# Allegro board buddy_lay_rev1.brd (continued)
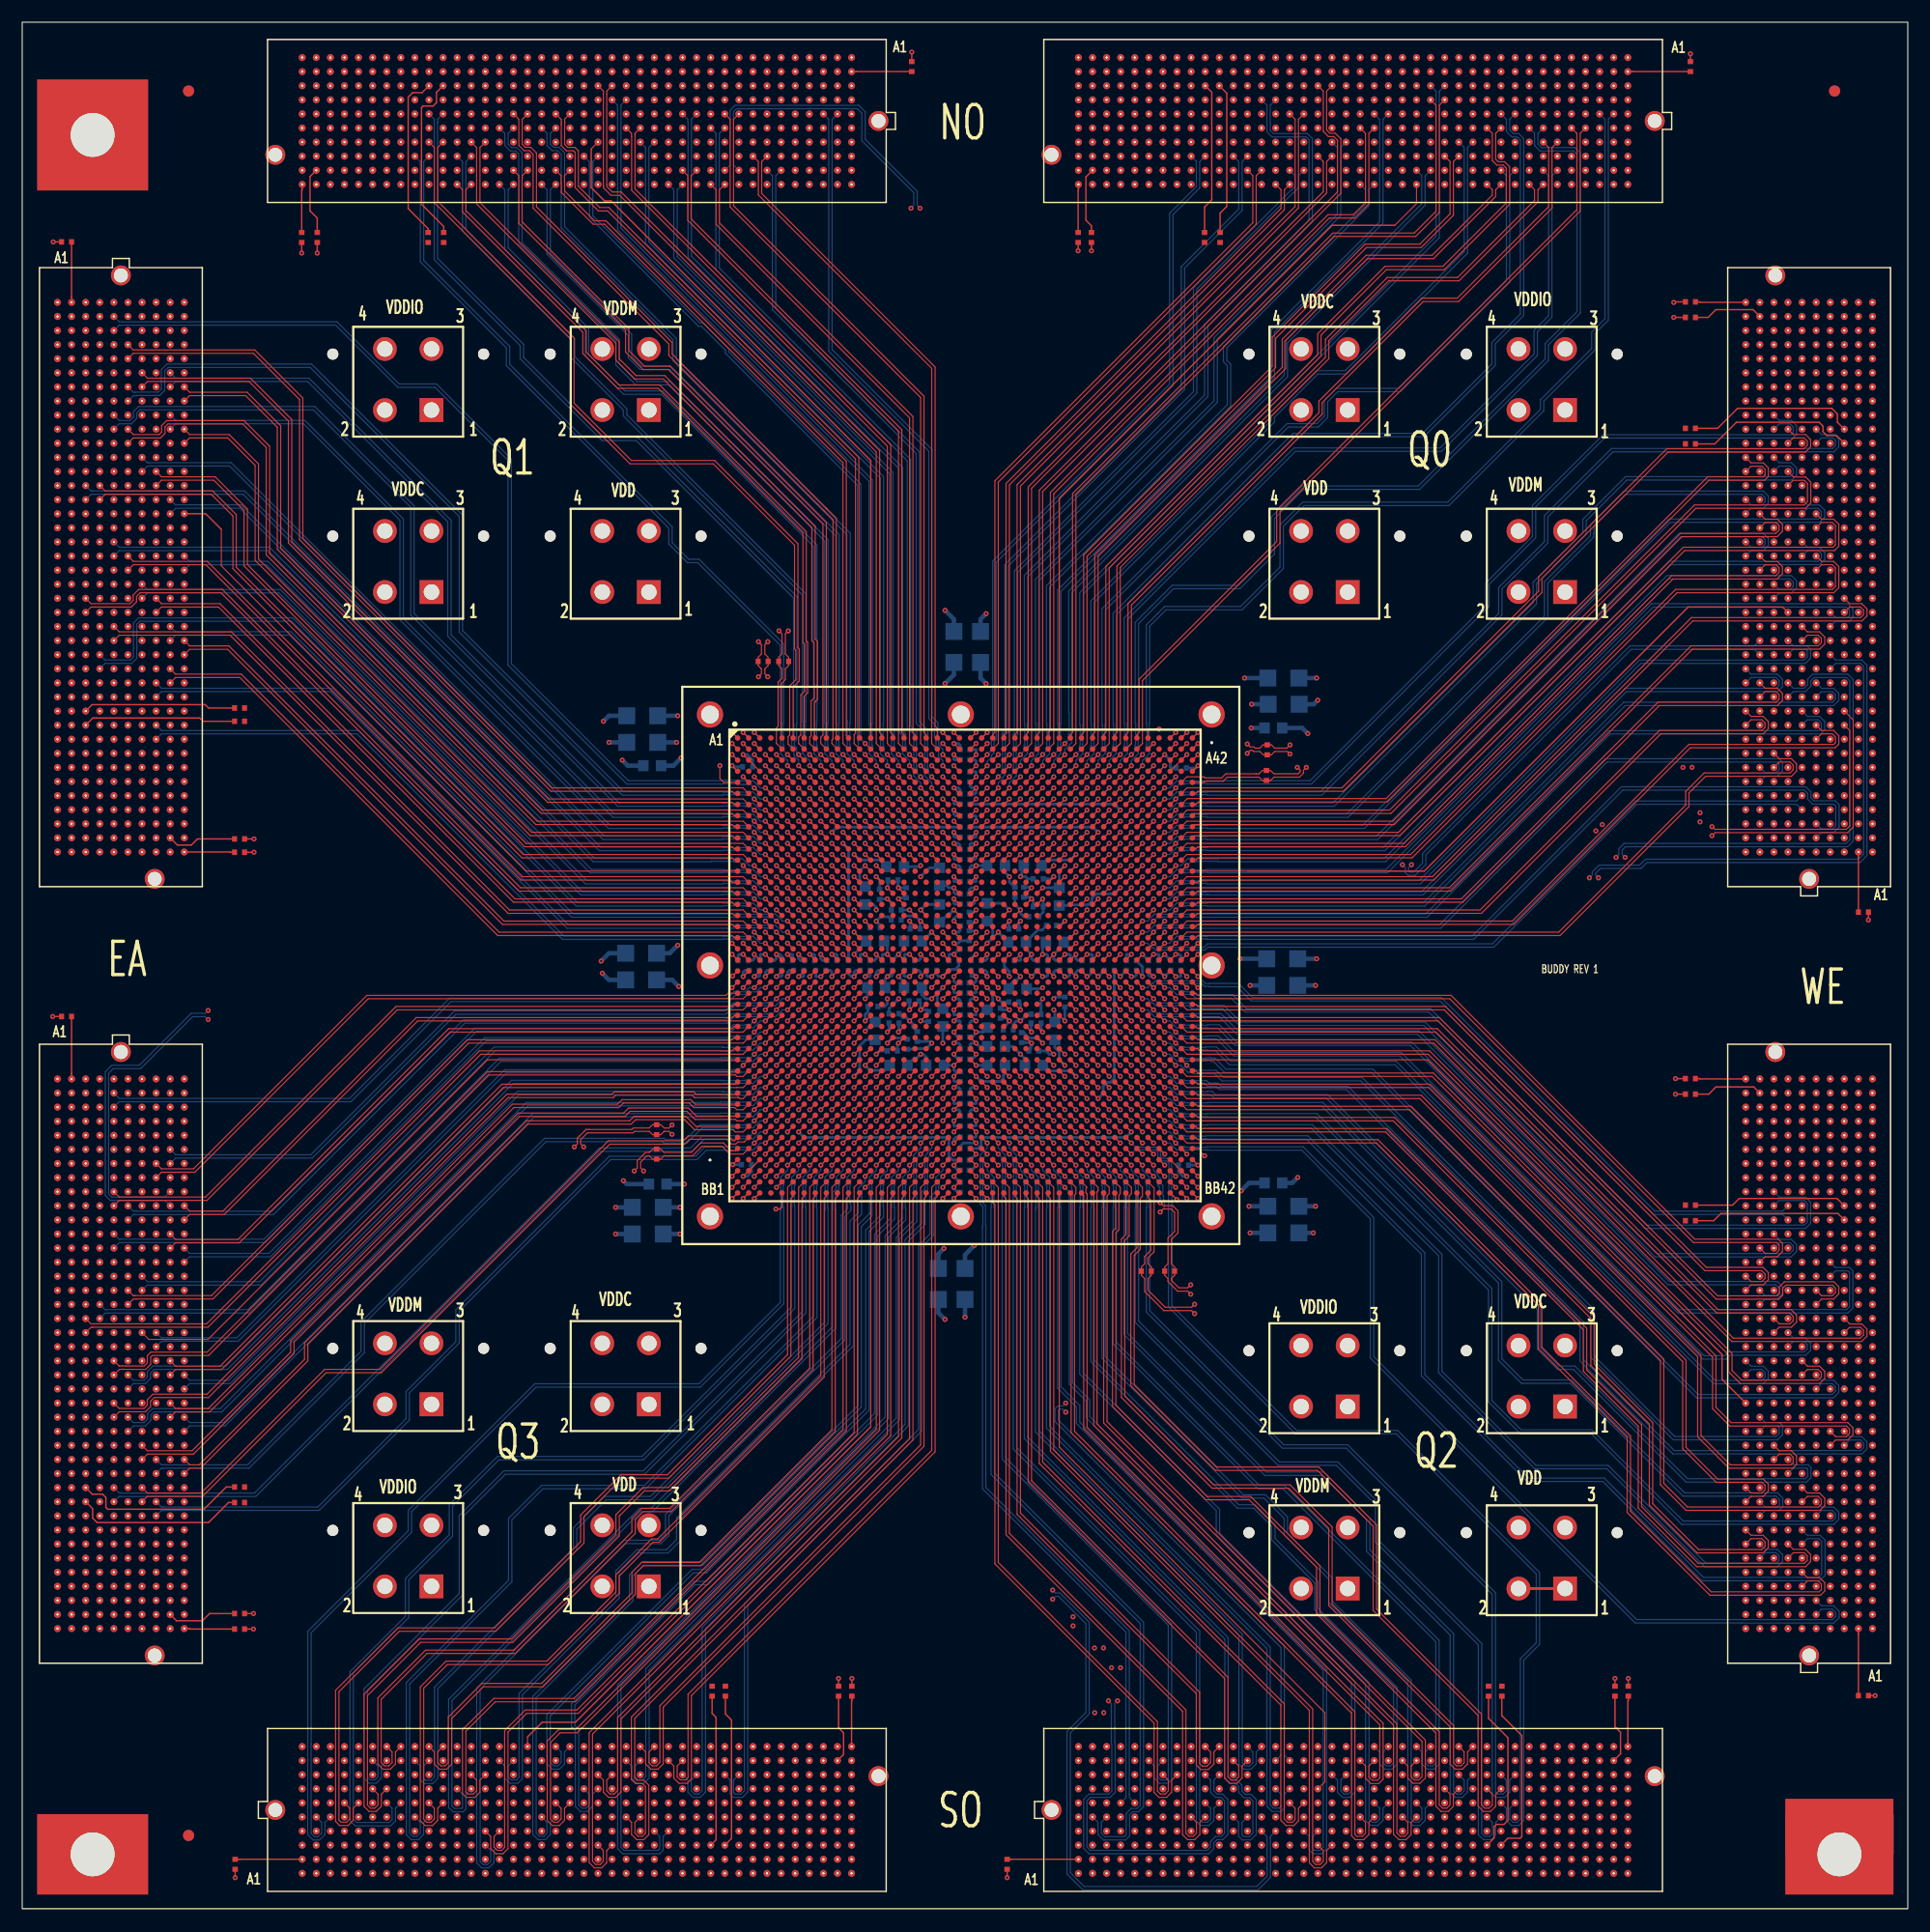
[diagram p0: board, top side]
## Routing (per net, layer and track width the routed paths; a pad name or vN(x,y) marks a point on that pad's centre or on a via; arc(x,y) is an arc through that point) (continued)
; J7.F12 9.54,61.28 ; J7.F12 9.54,60.33 ; J7.F12 10.01,60.8 ; 96.5,157.45 J2.H39 ; J2.H39 96.02,157.93 ; J2.H39 96.97,157.93 ; J2.H39 96.5,158.4 ; J4.A17 167.29,45.56 ; J4.A17 166.81,46.04 ; J4.A17 166.81,45.09 ; J4.A17 166.34,45.56 ; J3.C28 164.28,129.99 ; J3.C28 163.8,129.52 ; J3.C28 164.75,129.52 ; J3.C28 164.28,129.04 ; 166.81,59.06 J4.A28 ; J4.A28 166.34,59.53 ; J4.A28 166.81,60.01 ; J4.A28 167.29,59.53 ; 11.6,60.8 J7.H12 ; J7.H12 12.07,61.28 ; J7.H12 12.07,60.33 ; J7.H12 12.55,60.8 ; 166.81,69.22 J4.A36 ; J4.A36 166.81,70.17 ; J4.A36 166.34,69.69 ; J4.A36 167.29,69.69 ; 45.56,159.99 J1.F24 ; J1.F24 45.09,160.47 ; J1.F24 46.04,160.47 ; J1.F24 45.56,160.94 ; 161.74,126.98 162.21,126.98 ; 161.74,126.98 161.74,126.5 ; 161.74,126.98 161.74,127.45 ; 161.74,126.98 161.26,126.98 ; 129.52,6.52 129.52,7 ; 129.52,7 129.04,7 ; 129.52,7 129.99,7 ; 129.52,7 129.52,7.47 ; J4.G35 159.19,68.9 ; J4.G35 159.67,68.42 ; J4.G35 158.72,68.42 ; J4.G35 159.19,67.95 ; 7,98.56 7,99.04 ; 7,99.04 7.47,99.04 ; 7,99.04 6.52,99.04 ; 7,99.04 7,99.51 ; 159.19,137.93 J3.G35 ; J3.G35 159.67,138.41 ; J3.G35 159.19,138.88 ; J3.G35 158.72,138.41 ; J3.H21 157.93,121.1 ; J3.H21 158.4,120.63 ; J3.H21 157.93,120.15 ; J3.H21 157.45,120.63 ; J4.J5 157.13,30.32 ; J4.J5 156.18,30.32 ; J4.J5 156.66,30.8 ; J4.J5 156.66,29.85 ; 14.62,107.45 J8.K30 ; J8.K30 14.62,108.4 ; J8.K30 14.14,107.93 ; J8.K30 15.09,107.93 ; J7.E26 8.27,43.5 ; J7.E26 8.74,43.02 ; J7.E26 7.79,43.02 ; J7.E26 8.27,42.55 ; J5.B10 107.13,4.46 ; J5.B10 106.18,4.46 ; J5.B10 106.66,3.98 ; J5.B10 106.66,4.93 ; J5.E35 138.41,8.74 ; J5.E35 138.88,8.27 ; J5.E35 138.41,7.79 ; J5.E35 137.93,8.27 ; J1.F36 30.8,160.47 ; J1.F36 29.85,160.47 ; J1.F36 30.32,159.99 ; J1.F36 30.32,160.94 ; 11.6,41.75 J7.H27 ; J7.H27 12.07,42.23 ; J7.H27 12.07,41.28 ; J7.H27 12.55,41.75 ; J8.E35 8.27,102.05 ; J8.E35 8.74,101.58 ; J8.E35 7.79,101.58 ; J8.E35 8.27,101.1 ; J4.B14 165.54,42.23 ; J4.B14 165.54,41.28 ; J4.B14 165.07,41.75 ; J4.B14 166.02,41.75 ; J7.F21 10.01,49.37 ; J7.F21 9.54,49.85 ; J7.F21 9.06,49.37 ; J7.F21 9.54,48.9 ; 154.91,69.69 J4.K36 ; J4.K36 155.86,69.69 ; J4.K36 155.38,70.17 ; J4.K36 155.38,69.22 ; J6.B22 51.91,4.93 ; J6.B22 51.91,3.98 ; J6.B22 51.44,4.46 ; J6.B22 52.39,4.46 ; J8.A32 3.66,105.39 ; J8.A32 3.19,105.86 ; J8.A32 2.71,105.39 ; J8.A32 3.19,104.91 ; 32.39,7 J6.D7 ; J6.D7 32.86,6.52 ; J6.D7 32.86,7.47 ; J6.D7 33.34,7 ; J7.H33 12.55,34.13 ; J7.H33 11.6,34.13 ; J7.H33 12.07,34.61 ; J7.H33 12.07,33.66 ; 95.23,163.8 J2.C40 ; J2.C40 95.23,164.75 ; J2.C40 94.75,164.28 ; J2.C40 95.7,164.28 ; 162.53,125.71 J3.D25 ; J3.D25 163,125.23 ; J3.D25 163,126.18 ; J3.D25 163.48,125.71 ; 129.04,163 J2.D13 ; J2.D13 129.99,163 ; J2.D13 129.52,163.48 ; J2.D13 129.52,162.53 ; 3.19,129.52 3.66,129.52 ; 3.19,129.52 3.19,129.04 ; 3.19,129.52 2.71,129.52 ; 3.19,129.52 3.19,129.99 ; 164.28,71.76 J4.C38 ; J4.C38 164.75,72.23 ; J4.C38 164.28,72.71 ; J4.C38 163.8,72.23 ; J10.2 53.54,135.05 ; J10.2 51.06,135.05 ; J10.2 52.3,136.29 ; J10.2 52.3,133.81 ; J1.A20 51.12,166.81 ; J1.A20 50.17,166.81 ; J1.A20 50.64,167.29 ; J1.A20 50.64,166.34 ; 156.66,41.28 J4.J14 ; J4.J14 156.66,42.23 ; J4.J14 156.18,41.75 ; J4.J14 157.13,41.75 ; 5.72,130.79 5.72,131.26 ; 5.72,130.79 5.25,130.79 ; 5.72,130.79 5.72,130.31 ; 5.72,130.79 6.2,130.79 ; J3.H30 157.93,132.53 ; J3.H30 157.45,132.06 ; J3.H30 157.93,131.58 ; J3.H30 158.4,132.06 ; J4.D7 163,33.34 ; J4.D7 162.53,32.86 ; J4.D7 163.48,32.86 ; J4.D7 163,32.39 ; J6.H6 31.59,12.55 ; J6.H6 31.59,11.6 ; J6.H6 32.07,12.07 ; J6.H6 31.12,12.07 ; 69.69,161.26 69.69,161.74 ; 69.69,161.74 69.22,161.74 ; 69.69,161.74 69.69,162.21 ; 69.69,161.74 70.17,161.74 ; J7.D10 7,63.82 ; J7.D10 7.47,63.34 ; J7.D10 7,62.87 ; J7.D10 6.52,63.34 ; J1.C25 44.29,164.75 ; J1.C25 44.77,164.28 ; J1.C25 43.82,164.28 ; J1.C25 44.29,163.8 ; J5.F6 102.05,9.54 ; J5.F6 101.58,10.01 ; J5.F6 101.1,9.54 ; J5.F6 101.58,9.06 ; 53.18,3.98 J6.B23 ; J6.B23 52.71,4.46 ; J6.B23 53.66,4.46 ; J6.B23 53.18,4.93 ; J5.B15 113.48,4.46 ; J5.B15 112.53,4.46 ; J5.B15 113.01,4.93 ; J5.B15 113.01,3.98 ; 9.54,118.88 J8.F21 ; J8.F21 10.01,119.36 ; J8.F21 9.06,119.36 ; J8.F21 9.54,119.83 ; 3.19,74.3 3.19,74.77 ; 3.19,74.77 2.71,74.77 ; 3.19,74.77 3.66,74.77 ; 3.19,74.77 3.19,75.25 ; 111.74,10.8 111.74,11.28 ; 111.74,10.8 112.21,10.8 ; 111.74,10.8 111.26,10.8 ; 111.74,10.8 111.74,10.33 ; J2.H3 142.69,157.93 ; J2.H3 141.74,157.93 ; J2.H3 142.22,157.45 ; J2.H3 142.22,158.4 ; J1.C21 49.85,164.28 ; J1.C21 49.37,164.75 ; J1.C21 48.9,164.28 ; J1.C21 49.37,163.8 ; J4.C32 164.28,65.09 ; J4.C32 164.28,64.14 ; J4.C32 164.75,64.61 ; J4.C32 163.8,64.61 ; 159.99,58.26 J4.F27 ; J4.F27 160.94,58.26 ; J4.F27 160.47,57.79 ; J4.F27 160.47,58.74 ; 12.87,139.68 13.35,139.68 ; 13.35,139.68 13.35,139.2 ; 13.35,139.68 13.35,140.15 ; 13.35,139.68 13.82,139.68 ; 60.8,7.79 J6.E29 ; J6.E29 61.28,8.27 ; J6.E29 60.33,8.27 ; J6.E29 60.8,8.74 ; 56.5,117.41 J12.1 ; J12.1 57.74,118.65 ; J12.1 55.26,118.65 ; J12.1 56.5,119.89 ; 13.35,112.53 J8.J26 ; J8.J26 13.35,113.48 ; J8.J26 13.82,113.01 ; J8.J26 12.87,113.01 ; J6.J35 68.42,13.82 ; J6.J35 67.95,13.35 ; J6.J35 68.9,13.35 ; J6.J35 68.42,12.87 ; 4.46,32.86 4.93,32.86 ; 4.46,32.86 4.46,33.34 ; 4.46,32.86 4.46,32.39 ; 4.46,32.86 3.98,32.86 ; 37.47,157.93 J1.H30 ; J1.H30 38.42,157.93 ; J1.H30 37.94,157.45 ; J1.H30 37.94,158.4 ; 164.28,69.22 J4.C36 ; J4.C36 163.8,69.69 ; J4.C36 164.28,70.17 ; J4.C36 164.75,69.69 ; J1.B35 31.59,166.02 ; J1.B35 32.07,165.54 ; J1.B35 31.12,165.54 ; J1.B35 31.59,165.07 ; 120.15,156.66 J2.J20 ; J2.J20 121.1,156.66 ; J2.J20 120.63,157.13 ; J2.J20 120.63,156.18 ; 132.06,14.62 132.53,14.62 ; 132.06,14.62 131.58,14.62 ; 132.06,14.62 132.06,14.14 ; 132.06,14.62 132.06,15.09 ; 119.36,159.99 J2.F21 ; J2.F21 119.36,160.94 ; J2.F21 118.88,160.47 ; J2.F21 119.83,160.47 ; J6.K15 43.5,14.62 ; J6.K15 43.02,15.09 ; J6.K15 42.55,14.62 ; J6.K15 43.02,14.14 ; 102.85,165.07 J2.B34 ; J2.B34 103.32,165.54 ; J2.B34 102.37,165.54 ; J2.B34 102.85,166.02 ; J5.A29 131.26,3.19 ; J5.A29 130.79,2.71 ; J5.A29 130.31,3.19 ; J5.A29 130.79,3.66 ; 5.72,45.56 5.72,46.04 ; 5.72,45.56 5.72,45.09 ; 5.72,45.56 6.2,45.56 ; 5.72,45.56 5.25,45.56 ; 3.19,114.28 3.66,114.28 ; 3.19,114.28 3.19,114.75 ; 3.19,114.28 3.19,113.8 ; 3.19,114.28 2.71,114.28 ; 56.99,157.45 J1.H15 ; J1.H15 57.47,157.93 ; J1.H15 56.99,158.4 ; J1.H15 56.52,157.93 ; J4.B39 165.54,73.98 ; J4.B39 165.07,73.5 ; J4.B39 165.54,73.03 ; J4.B39 166.02,73.5 ; 32.7,133.81 J9.2 ; J9.2 32.7,136.29 ; J9.2 33.94,135.05 ; J9.2 31.46,135.05 ; 104.12,163.8 J2.C33 ; J2.C33 104.59,164.28 ; J2.C33 103.64,164.28 ; J2.C33 104.12,164.75 ; 65.41,5.72 J6.C33 ; J6.C33 65.88,5.25 ; J6.C33 65.88,6.2 ; J6.C33 66.36,5.72 ; J5.B6 101.58,4.93 ; J5.B6 101.1,4.46 ; J5.B6 101.58,3.98 ; J5.B6 102.05,4.46 ; 7,129.04 J8.D13 ; J8.D13 7.47,129.52 ; J8.D13 7,129.99 ; J8.D13 6.52,129.52 ; 38.74,5.72 39.21,5.72 ; 39.21,5.72 39.21,5.25 ; 39.21,5.72 39.21,6.2 ; 39.21,5.72 39.69,5.72 ; J7.D3 7,72.71 ; J7.D3 7,71.76 ; J7.D3 7.47,72.23 ; J7.D3 6.52,72.23 ; J6.G35 68.42,11.28 ; J6.G35 68.42,10.33 ; J6.G35 68.9,10.8 ; J6.G35 67.95,10.8 ; J5.G40 144.76,11.28 ; J5.G40 144.76,10.33 ; J5.G40 145.23,10.8 ; J5.G40 144.28,10.8 ; 45.09,3.19 45.56,3.19 ; 45.56,3.19 45.56,2.71 ; 45.56,3.19 46.04,3.19 ; 45.56,3.19 45.56,3.66 ; J8.B19 4.93,121.9 ; J8.B19 3.98,121.9 ; J8.B19 4.46,121.42 ; J8.B19 4.46,122.37 ; J1.A17 54.93,166.81 ; J1.A17 53.98,166.81 ; J1.A17 54.45,166.34 ; J1.A17 54.45,167.29 ; J4.J26 156.66,57.47 ; J4.J26 156.18,56.99 ; J4.J26 157.13,56.99 ; J4.J26 156.66,56.52 ; 5.72,69.69 6.2,69.69 ; 5.72,69.69 5.72,69.22 ; 5.72,69.69 5.72,70.17 ; 5.72,69.69 5.25,69.69 ; 166.34,100.31 J3.A5 ; J3.A5 166.81,100.78 ; J3.A5 167.29,100.31 ; J3.A5 166.81,99.83 ; 138.41,3.98 138.41,4.46 ; 138.41,4.46 138.88,4.46 ; 138.41,4.46 138.41,4.93 ; 138.41,4.46 137.93,4.46 ; 7.79,113.01 J8.E26 ; J8.E26 8.27,113.48 ; J8.E26 8.74,113.01 ; J8.E26 8.27,112.53 ; J3.G29 159.19,131.26 ; J3.G29 159.67,130.79 ; J3.G29 159.19,130.31 ; J3.G29 158.72,130.79 ; 2.71,125.71 3.19,125.71 ; 3.19,125.71 3.66,125.71 ; 3.19,125.71 3.19,126.18 ; 3.19,125.71 3.19,125.23 ; 140.95,161.26 140.95,161.74 ; 140.95,161.74 140.95,162.21 ; 140.95,161.74 140.47,161.74 ; 140.95,161.74 141.42,161.74 ; 124.44,161.74 124.91,161.74 ; 124.44,161.74 124.44,161.26 ; 124.44,161.74 124.44,162.21 ; 124.44,161.74 123.96,161.74 ; 63.34,4.46 63.82,4.46 ; 63.34,4.46 63.34,4.93 ; 63.34,4.46 62.87,4.46 ; 63.34,4.46 63.34,3.98 ; 5.72,65.88 5.72,66.36 ; 5.72,65.88 5.72,65.41 ; 5.72,65.88 5.25,65.88 ; 5.72,65.88 6.2,65.88 ; J7.B22 4.46,48.58 ; J7.B22 3.98,48.1 ; J7.B22 4.46,47.63 ; J7.B22 4.93,48.1 ; 164.28,144.28 J3.C40 ; J3.C40 164.75,144.76 ; J3.C40 164.28,145.23 ; J3.C40 163.8,144.76 ; 160.47,101.1 J3.F6 ; J3.F6 160.47,102.05 ; J3.F6 159.99,101.58 ; J3.F6 160.94,101.58 ; 161.74,25.24 161.74,25.72 ; 161.74,25.24 162.21,25.24 ; 161.74,25.24 161.74,24.77 ; 161.74,25.24 161.26,25.24 ; J5.F3 97.77,10.01 ; J5.F3 97.77,9.06 ; J5.F3 98.24,9.54 ; J5.F3 97.29,9.54 ; 10.8,70.96 11.28,70.96 ; 10.8,70.96 10.8,71.44 ; 10.8,70.96 10.8,70.49 ; 10.8,70.96 10.33,70.96 ; 163.8,114.28 J3.C16 ; J3.C16 164.75,114.28 ; J3.C16 164.28,113.8 ; J3.C16 164.28,114.75 ; J6.H15 43.02,12.55 ; J6.H15 43.5,12.07 ; J6.H15 42.55,12.07 ; J6.H15 43.02,11.6 ; J6.K6 32.07,14.62 ; J6.K6 31.12,14.62 ; J6.K6 31.59,14.14 ; J6.K6 31.59,15.09 ; 97.77,161.74 97.77,162.21 ; 97.77,161.74 98.24,161.74 ; 97.77,161.74 97.77,161.26 ; 97.77,161.74 97.29,161.74 ; 97.77,6.52 J5.D3 ; J5.D3 98.24,7 ; J5.D3 97.77,7.47 ; J5.D3 97.29,7 ; 11.6,30.32 J7.H36 ; J7.H36 12.07,30.8 ; J7.H36 12.55,30.32 ; J7.H36 12.07,29.85 ; 161.74,144.76 162.21,144.76 ; 161.74,144.76 161.26,144.76 ; 161.74,144.76 161.74,145.23 ; 161.74,144.76 161.74,144.28 ; 143.01,160.47 J2.F2 ; J2.F2 143.49,160.94 ; J2.F2 143.49,159.99 ; J2.F2 143.96,160.47 ; J3.D28 163.48,129.52 ; J3.D28 162.53,129.52 ; J3.D28 163,129.99 ; J3.D28 163,129.04 ; J5.D22 122.37,7 ; J5.D22 121.9,7.47 ; J5.D22 121.42,7 ; J5.D22 121.9,6.52 ; 137.14,3.98 137.14,4.46 ; 137.14,4.46 136.66,4.46 ; 137.14,4.46 137.14,4.93 ; 137.14,4.46 137.61,4.46 ; 14.14,104.12 14.62,104.12 ; 14.62,104.12 14.62,103.64 ; 14.62,104.12 14.62,104.59 ; 14.62,104.12 15.09,104.12 ; 128.25,165.07 J2.B14 ; J2.B14 128.72,165.54 ; J2.B14 127.77,165.54 ; J2.B14 128.25,166.02 ; 135.39,156.66 J2.J8 ; J2.J8 136.34,156.66 ; J2.J8 135.87,156.18 ; J2.J8 135.87,157.13 ; J1.J29 39.69,156.66 ; J1.J29 39.21,157.13 ; J1.J29 39.21,156.18 ; J1.J29 38.74,156.66 ; 157.93,135.39 J3.H33 ; J3.H33 157.45,135.87 ; J3.H33 157.93,136.34 ; J3.H33 158.4,135.87 ; 155.38,53.98 J4.K24 ; J4.K24 155.38,54.93 ; J4.K24 154.91,54.45 ; J4.K24 155.86,54.45 ; 35.4,5.72 35.88,5.72 ; 35.4,5.72 34.93,5.72 ; 35.4,5.72 35.4,6.2 ; 35.4,5.72 35.4,5.25 ; 157.45,124.44 J3.H24 ; J3.H24 157.93,124.91 ; J3.H24 158.4,124.44 ; J3.H24 157.93,123.96 ; 99.04,5.25 99.04,5.72 ; 99.04,5.72 99.04,6.2 ; 99.04,5.72 98.56,5.72 ; 99.04,5.72 99.51,5.72 ; 111.26,160.47 J2.F27 ; J2.F27 112.21,160.47 ; J2.F27 111.74,159.99 ; J2.F27 111.74,160.94 ; 37.94,10.8 38.42,10.8 ; 37.94,10.8 37.94,11.28 ; 37.94,10.8 37.47,10.8 ; 37.94,10.8 37.94,10.33 ; J3.C32 164.75,134.6 ; J3.C32 163.8,134.6 ; J3.C32 164.28,134.12 ; J3.C32 164.28,135.07 ; 165.07,106.66 J3.B10 ; J3.B10 166.02,106.66 ; J3.B10 165.54,106.18 ; J3.B10 165.54,107.13 ; 128.25,9.54 128.25,10.01 ; 128.25,9.54 128.25,9.06 ; 128.25,9.54 128.72,9.54 ; 128.25,9.54 127.77,9.54 ; 69.69,163.8 J1.C5 ; J1.C5 69.22,164.28 ; J1.C5 70.17,164.28 ; J1.C5 69.69,164.75 ; 156.18,107.93 J3.J11 ; J3.J11 156.66,107.45 ; J3.J11 156.66,108.4 ; J3.J11 157.13,107.93 ; J3.C5 164.28,100.78 ; J3.C5 163.8,100.31 ; J3.C5 164.28,99.83 ; J3.C5 164.75,100.31 ; J2.G17 124.44,159.67 ; J2.G17 123.96,159.19 ; J2.G17 124.44,158.72 ; J2.G17 124.91,159.19 ; 100.31,10.8 100.78,10.8 ; 100.31,10.8 100.31,10.33 ; 100.31,10.8 99.83,10.8 ; 100.31,10.8 100.31,11.28 ; J1.B39 26.51,166.02 ; J1.B39 26.99,165.54 ; J1.B39 26.51,165.07 ; J1.B39 26.04,165.54 ; J2.K15 127.45,155.38 ; J2.K15 126.98,155.86 ; J2.K15 126.98,154.91 ; J2.K15 126.5,155.38 ; J4.C1 164.28,25.72 ; J4.C1 164.28,24.77 ; J4.C1 163.8,25.24 ; J4.C1 164.75,25.24 ; J1.K39 26.99,155.38 ; J1.K39 26.51,155.86 ; J1.K39 26.51,154.91 ; J1.K39 26.04,155.38 ; 121.9,165.07 J2.B19 ; J2.B19 121.9,166.02 ; J2.B19 121.42,165.54 ; J2.B19 122.37,165.54 ; J4.K27 155.38,58.74 ; J4.K27 155.86,58.26 ; J4.K27 154.91,58.26 ; J4.K27 155.38,57.79 ; 3.98,138.41 J8.B6 ; J8.B6 4.46,137.93 ; J8.B6 4.93,138.41 ; J8.B6 4.46,138.88 ; J3.J40 156.66,145.23 ; J3.J40 156.18,144.76 ; J3.J40 156.66,144.28 ; J3.J40 157.13,144.76 ; 74.3,8.27 J6.E40 ; J6.E40 75.25,8.27 ; J6.E40 74.77,8.74 ; J6.E40 74.77,7.79 ; 163.8,54.45 J4.C24 ; J4.C24 164.75,54.45 ; J4.C24 164.28,54.93 ; J4.C24 164.28,53.98 ; 156.66,98.56 J3.J4 ; J3.J4 157.13,99.04 ; J3.J4 156.18,99.04 ; J3.J4 156.66,99.51 ; J7.E38 8.74,27.78 ; J7.E38 8.27,28.26 ; J7.E38 8.27,27.31 ; J7.E38 7.79,27.78 ; 49.37,154.91 J1.K21 ; J1.K21 49.85,155.38 ; J1.K21 49.37,155.86 ; J1.K21 48.9,155.38 ; J1.F18 53.66,160.47 ; J1.F18 53.18,159.99 ; J1.F18 53.18,160.94 ; J1.F18 52.71,160.47 ; 43.82,5.72 44.29,5.72 ; 44.29,5.72 44.29,6.2 ; 44.29,5.72 44.77,5.72 ; 44.29,5.72 44.29,5.25 ; J7.G26 11.28,43.02 ; J7.G26 10.33,43.02 ; J7.G26 10.8,42.55 ; J7.G26 10.8,43.5 ; 58.26,158.72 J1.G14 ; J1.G14 57.79,159.19 ; J1.G14 58.26,159.67 ; J1.G14 58.74,159.19 ; 107.93,3.98 J5.B11 ; J5.B11 107.93,4.93 ; J5.B11 108.4,4.46 ; J5.B11 107.45,4.46 ; J5.F21 121.1,9.54 ; J5.F21 120.15,9.54 ; J5.F21 120.63,9.06 ; J5.F21 120.63,10.01 ; 55.72,2.71 55.72,3.19 ; 55.72,3.19 56.2,3.19 ; 55.72,3.19 55.25,3.19 ; 55.72,3.19 55.72,3.66 ; J2.K33 104.12,155.86 ; J2.K33 104.12,154.91 ; J2.K33 104.59,155.38 ; J2.K33 103.64,155.38 ; J3.A37 166.81,141.42 ; J3.A37 166.34,140.95 ; J3.A37 166.81,140.47 ; J3.A37 167.29,140.95 ; 2.71,124.44 3.19,124.44 ; 3.19,124.44 3.19,123.96 ; 3.19,124.44 3.66,124.44 ; 3.19,124.44 3.19,124.91 ; 113.01,161.74 113.48,161.74 ; 113.01,161.74 113.01,161.26 ; 113.01,161.74 113.01,162.21 ; 113.01,161.74 112.53,161.74 ; J10.1 56.5,136.29 ; J10.1 57.74,135.05 ; J10.1 56.5,133.81 ; J10.1 55.26,135.05 ; J1.H9 64.61,158.4 ; J1.H9 64.61,157.45 ; J1.H9 65.09,157.93 ; J1.H9 64.14,157.93 ; 6.52,51.91 J7.D19 ; J7.D19 7.47,51.91 ; J7.D19 7,51.44 ; J7.D19 7,52.39 ; 157.93,50.17 J4.H21 ; J4.H21 157.93,51.12 ; J4.H21 157.45,50.64 ; J4.H21 158.4,50.64 ; 9.54,56.52 J7.F15 ; J7.F15 9.06,56.99 ; J7.F15 9.54,57.47 ; J7.F15 10.01,56.99 ; 35.4,161.74 35.88,161.74 ; 35.4,161.74 35.4,162.21 ; 35.4,161.74 34.93,161.74 ; 35.4,161.74 35.4,161.26 ; J2.H30 108.4,157.93 ; J2.H30 107.93,157.45 ; J2.H30 107.93,158.4 ; J2.H30 107.45,157.93 ; J3.J8 156.66,104.59 ; J3.J8 156.66,103.64 ; J3.J8 156.18,104.12 ; J3.J8 157.13,104.12 ; 65.41,164.28 J1.C8 ; J1.C8 65.88,164.75 ; J1.C8 65.88,163.8 ; J1.C8 66.36,164.28 ; 109.2,9.06 J5.F12 ; J5.F12 108.72,9.54 ; J5.F12 109.2,10.01 ; J5.F12 109.67,9.54 ; J5.K2 96.97,14.62 ; J5.K2 96.02,14.62 ; J5.K2 96.5,14.14 ; J5.K2 96.5,15.09 ; 9.06,130.79 J8.F12 ; J8.F12 10.01,130.79 ; J8.F12 9.54,131.26 ; J8.F12 9.54,130.31 ; 161.74,67.95 161.74,68.42 ; 161.74,68.42 161.26,68.42 ; 161.74,68.42 162.21,68.42 ; 161.74,68.42 161.74,68.9 ; J5.H18 117.29,12.07 ; J5.H18 116.82,11.6 ; J5.H18 116.34,12.07 ; J5.H18 116.82,12.55 ; 68.42,165.07 J1.B6 ; J1.B6 68.42,166.02 ; J1.B6 68.9,165.54 ; J1.B6 67.95,165.54 ; J3.C12 164.75,109.2 ; J3.C12 164.28,109.67 ; J3.C12 163.8,109.2 ; J3.C12 164.28,108.72 ; J6.C32 64.61,6.2 ; J6.C32 64.61,5.25 ; J6.C32 64.14,5.72 ; J6.C32 65.09,5.72 ; 165.54,101.1 J3.B6 ; J3.B6 165.54,102.05 ; J3.B6 166.02,101.58 ; J3.B6 165.07,101.58 ; 46.36,156.66 J1.J23 ; J1.J23 46.83,156.18 ; J1.J23 46.83,157.13 ; J1.J23 47.31,156.66 ; 69.22,159.19 J1.G5 ; J1.G5 69.69,159.67 ; J1.G5 69.69,158.72 ; J1.G5 70.17,159.19 ; J4.F36 160.47,70.17 ; J4.F36 160.94,69.69 ; J4.F36 159.99,69.69 ; J4.F36 160.47,69.22 ; J2.J40 95.23,157.13 ; J2.J40 95.23,156.18 ; J2.J40 94.75,156.66 ; J2.J40 95.7,156.66 ; 161.74,29.85 161.74,30.32 ; 161.74,30.32 161.74,30.8 ; 161.74,30.32 161.26,30.32 ; 161.74,30.32 162.21,30.32 ; 118.88,157.93 J2.H21 ; J2.H21 119.36,158.4 ; J2.H21 119.36,157.45 ; J2.H21 119.83,157.93 ; 144.28,3.19 J5.A40 ; J5.A40 145.23,3.19 ; J5.A40 144.76,3.66 ; J5.A40 144.76,2.71 ; J3.B34 165.54,137.61 ; J3.B34 166.02,137.14 ; J3.B34 165.07,137.14 ; J3.B34 165.54,136.66 ; 48.9,157.93 J1.H21 ; J1.H21 49.37,157.45 ; J1.H21 49.85,157.93 ; J1.H21 49.37,158.4 ; J3.C17 164.75,115.55 ; J3.C17 164.28,115.07 ; J3.C17 163.8,115.55 ; J3.C17 164.28,116.02 ; 4.46,26.04 4.46,26.51 ; 4.46,26.51 4.46,26.99 ; 4.46,26.51 4.93,26.51 ; 4.46,26.51 3.98,26.51 ; J7.G40 10.8,25.72 ; J7.G40 11.28,25.24 ; J7.G40 10.33,25.24 ; J7.G40 10.8,24.77 ; 139.2,9.54 139.68,9.54 ; 139.68,9.54 139.68,9.06 ; 139.68,9.54 139.68,10.01 ; 139.68,9.54 140.15,9.54 ; J3.A9 167.29,105.39 ; J3.A9 166.34,105.39 ; J3.A9 166.81,104.91 ; J3.A9 166.81,105.86 ; 67.95,8.27 J6.E35 ; J6.E35 68.42,8.74 ; J6.E35 68.42,7.79 ; J6.E35 68.9,8.27 ; 162.53,140.95 J3.D37 ; J3.D37 163,140.47 ; J3.D37 163,141.42 ; J3.D37 163.48,140.95 ; 164.28,33.66 J4.C8 ; J4.C8 163.8,34.13 ; J4.C8 164.75,34.13 ; J4.C8 164.28,34.61 ; 101.58,6.52 J5.D6 ; J5.D6 101.1,7 ; J5.D6 102.05,7 ; J5.D6 101.58,7.47 ; 144.76,158.72 J2.G1 ; J2.G1 145.23,159.19 ; J2.G1 144.28,159.19 ; J2.G1 144.76,159.67 ; 9.54,45.09 J7.F24 ; J7.F24 9.06,45.56 ; J7.F24 10.01,45.56 ; J7.F24 9.54,46.04 ; 3.19,44.29 3.66,44.29 ; 3.19,44.29 3.19,43.82 ; 3.19,44.29 2.71,44.29 ; 3.19,44.29 3.19,44.77 ; 72.23,4.46 72.23,4.93 ; 72.23,4.46 71.76,4.46 ; 72.23,4.46 72.23,3.98 ; 72.23,4.46 72.71,4.46 ; 96.5,11.6 J5.H2 ; J5.H2 96.5,12.55 ; J5.H2 96.02,12.07 ; J5.H2 96.97,12.07 ; 163,121.42 J3.D22 ; J3.D22 162.53,121.9 ; J3.D22 163,122.37 ; J3.D22 163.48,121.9 ; J5.H24 124.44,12.55 ; J5.H24 124.91,12.07 ; J5.H24 123.96,12.07 ; J5.H24 124.44,11.6 ; 14.62,137.93 J8.K6 ; J8.K6 14.62,138.88 ; J8.K6 15.09,138.41 ; J8.K6 14.14,138.41 ; 30.32,13.35 30.8,13.35 ; 30.32,13.35 29.85,13.35 ; 30.32,13.35 30.32,12.87 ; 30.32,13.35 30.32,13.82 ; 27.31,161.74 27.78,161.74 ; 27.78,161.74 27.78,162.21 ; 27.78,161.74 27.78,161.26 ; 27.78,161.74 28.26,161.74 ; 108.72,161.74 109.2,161.74 ; 109.2,161.74 109.67,161.74 ; 109.2,161.74 109.2,162.21 ; 109.2,161.74 109.2,161.26 ; J2.D37 99.51,163 ; J2.D37 99.04,162.53 ; J2.D37 99.04,163.48 ; J2.D37 98.56,163 ; J1.G38 28.26,159.19 ; J1.G38 27.78,159.67 ; J1.G38 27.31,159.19 ; J1.G38 27.78,158.72 ; J4.B2 166.02,26.51 ; J4.B2 165.07,26.51 ; J4.B2 165.54,26.99 ; J4.B2 165.54,26.04 ; 43.02,156.18 J1.J26 ; J1.J26 42.55,156.66 ; J1.J26 43.5,156.66 ; J1.J26 43.02,157.13 ; J3.A40 166.81,145.23 ; J3.A40 167.29,144.76 ; J3.A40 166.81,144.28 ; J3.A40 166.34,144.76 ; 53.98,159.19 J1.G17 ; J1.G17 54.45,158.72 ; J1.G17 54.93,159.19 ; J1.G17 54.45,159.67 ; 27.31,7 J6.D3 ; J6.D3 27.78,6.52 ; J6.D3 28.26,7 ; J6.D3 27.78,7.47 ; 8.27,70.96 8.27,71.44 ; 8.27,70.96 8.74,70.96 ; 8.27,70.96 7.79,70.96 ; 8.27,70.96 8.27,70.49 ; J5.G20 119.36,11.28 ; J5.G20 119.36,10.33 ; J5.G20 118.88,10.8 ; J5.G20 119.83,10.8 ; J4.H12 158.4,39.21 ; J4.H12 157.93,39.69 ; J4.H12 157.45,39.21 ; J4.H12 157.93,38.74 ; 111.26,8.27 111.74,8.27 ; 111.74,8.27 111.74,8.74 ; 111.74,8.27 112.21,8.27 ; 111.74,8.27 111.74,7.79 ; 5.72,144.76 6.2,144.76 ; 5.72,144.76 5.72,145.23 ; 5.72,144.76 5.72,144.28 ; 5.72,144.76 5.25,144.76 ; 12.07,37.47 J7.H30 ; J7.H30 12.07,38.42 ; J7.H30 11.6,37.94 ; J7.H30 12.55,37.94 ; J6.G17 46.04,10.8 ; J6.G17 45.09,10.8 ; J6.G17 45.56,10.33 ; J6.G17 45.56,11.28 ; 44.29,162.53 J1.D25 ; J1.D25 44.77,163 ; J1.D25 43.82,163 ; J1.D25 44.29,163.48 ; 166.81,50.17 J4.A21 ; J4.A21 167.29,50.64 ; J4.A21 166.34,50.64 ; J4.A21 166.81,51.12 ; 3.19,55.72 3.66,55.72 ; 3.19,55.72 2.71,55.72 ; 3.19,55.72 3.19,56.2 ; 3.19,55.72 3.19,55.25 ; J1.C29 39.21,164.75 ; J1.C29 38.74,164.28 ; J1.C29 39.21,163.8 ; J1.C29 39.69,164.28 ; J1.D37 29.53,163 ; J1.D37 28.58,163 ; J1.D37 29.05,163.48 ; J1.D37 29.05,162.53 ; 57.79,161.74 58.26,161.74 ; 58.26,161.74 58.26,162.21 ; 58.26,161.74 58.26,161.26 ; 58.26,161.74 58.74,161.74 ; 159.19,107.45 J3.G11 ; J3.G11 159.67,107.93 ; J3.G11 159.19,108.4 ; J3.G11 158.72,107.93 ; 8.27,24.77 J7.E40 ; J7.E40 8.27,25.72 